# Altium PCB Copy of 飞控主板.PcbDoc
Units mil, origin at the board's own origin, x right, y up, seen from the top; angles counter-clockwise.
Board outline 1795.42 x 1796.14 mil, 2 copper layers (Top Layer, Bottom Layer); 49 components, 47 nets, 218 pads, 58 vias.
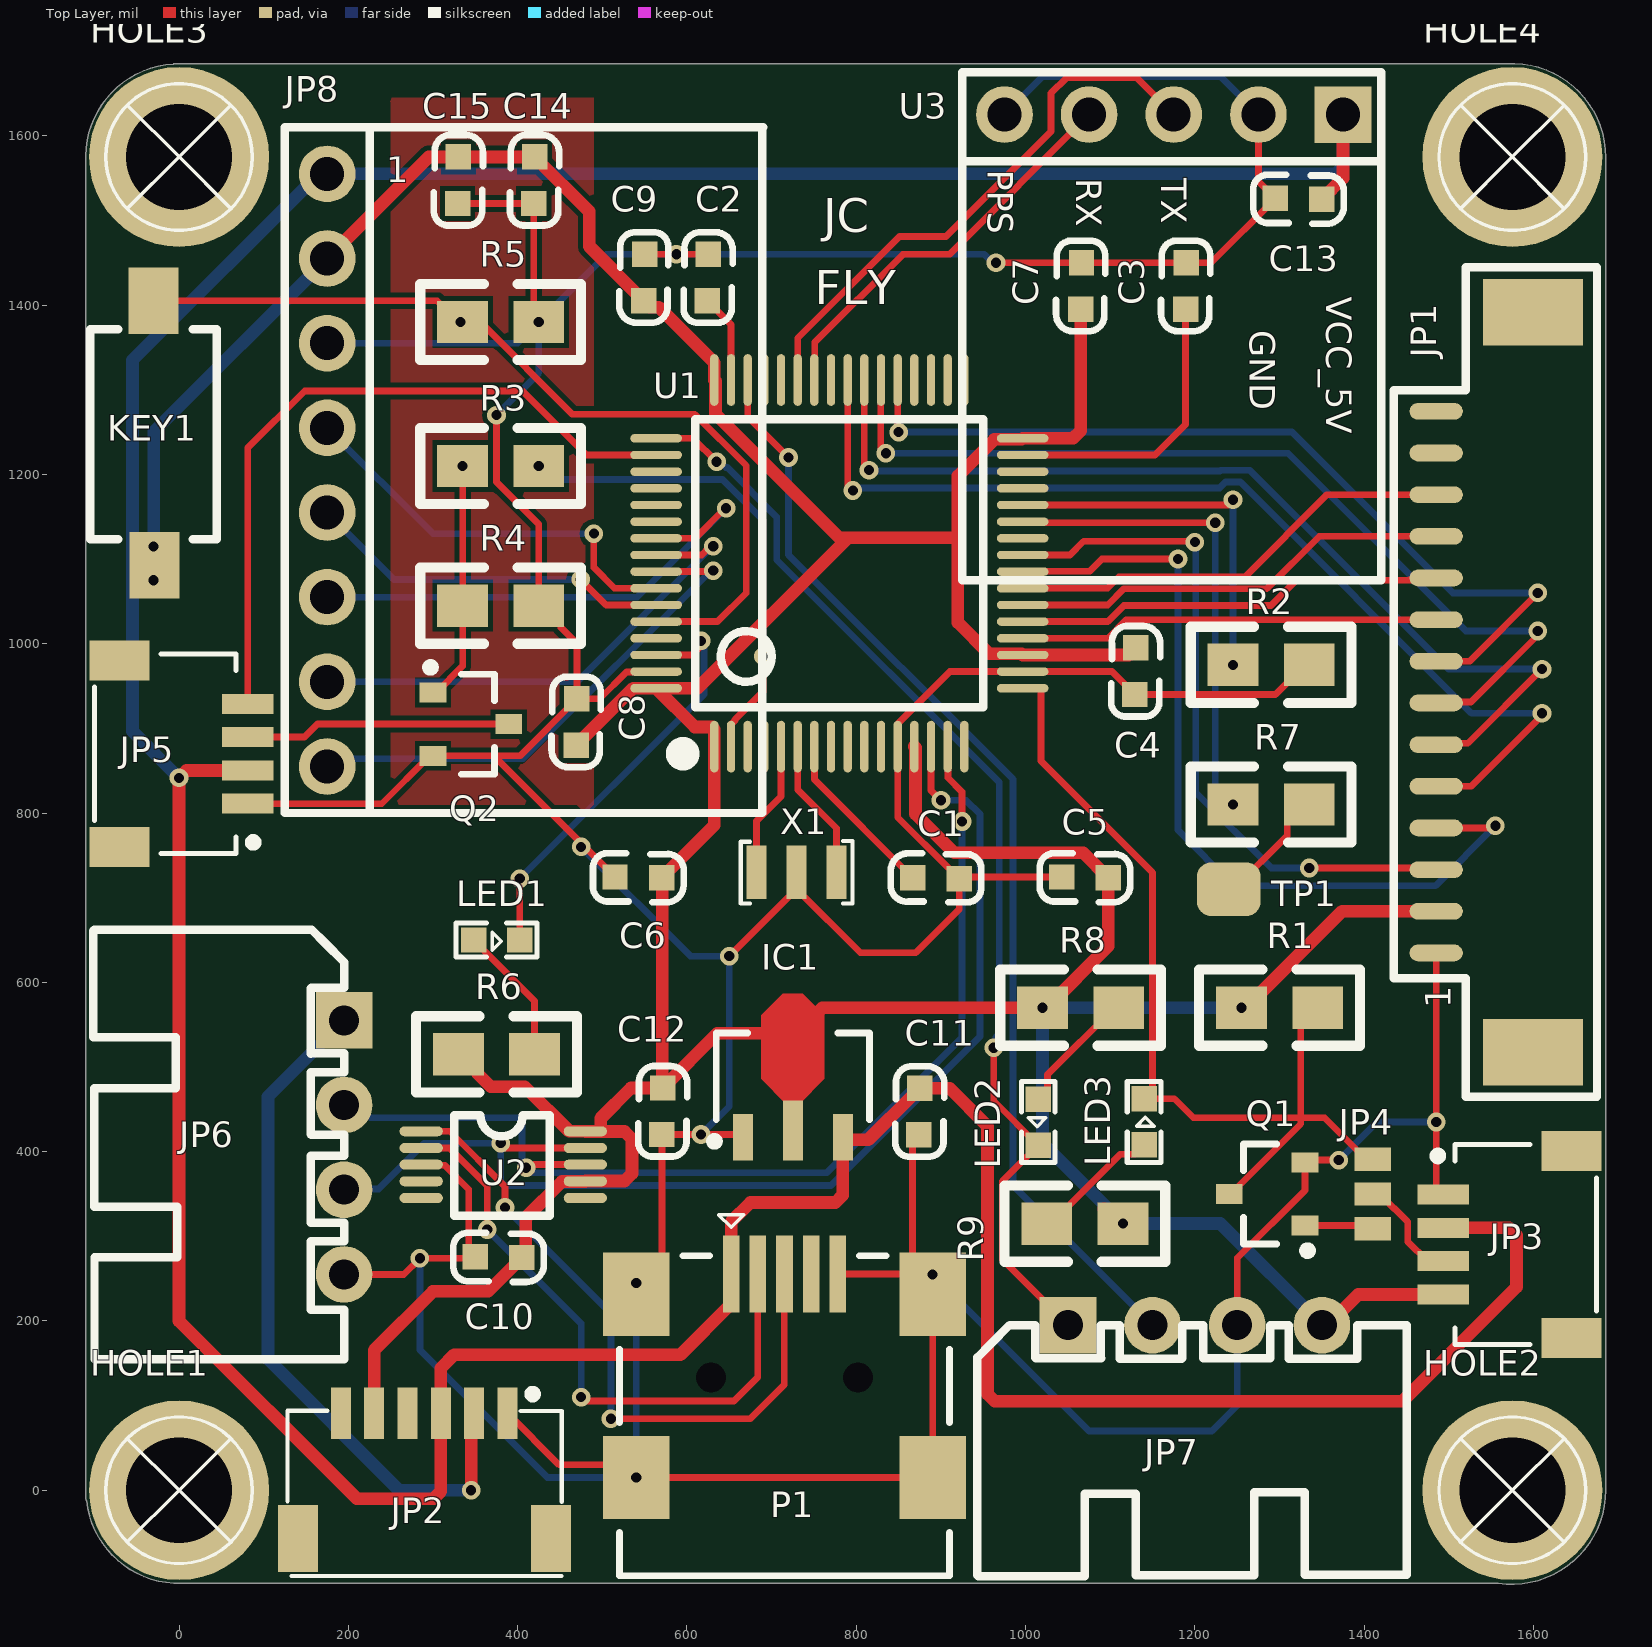
[diagram p0: Top Layer view]
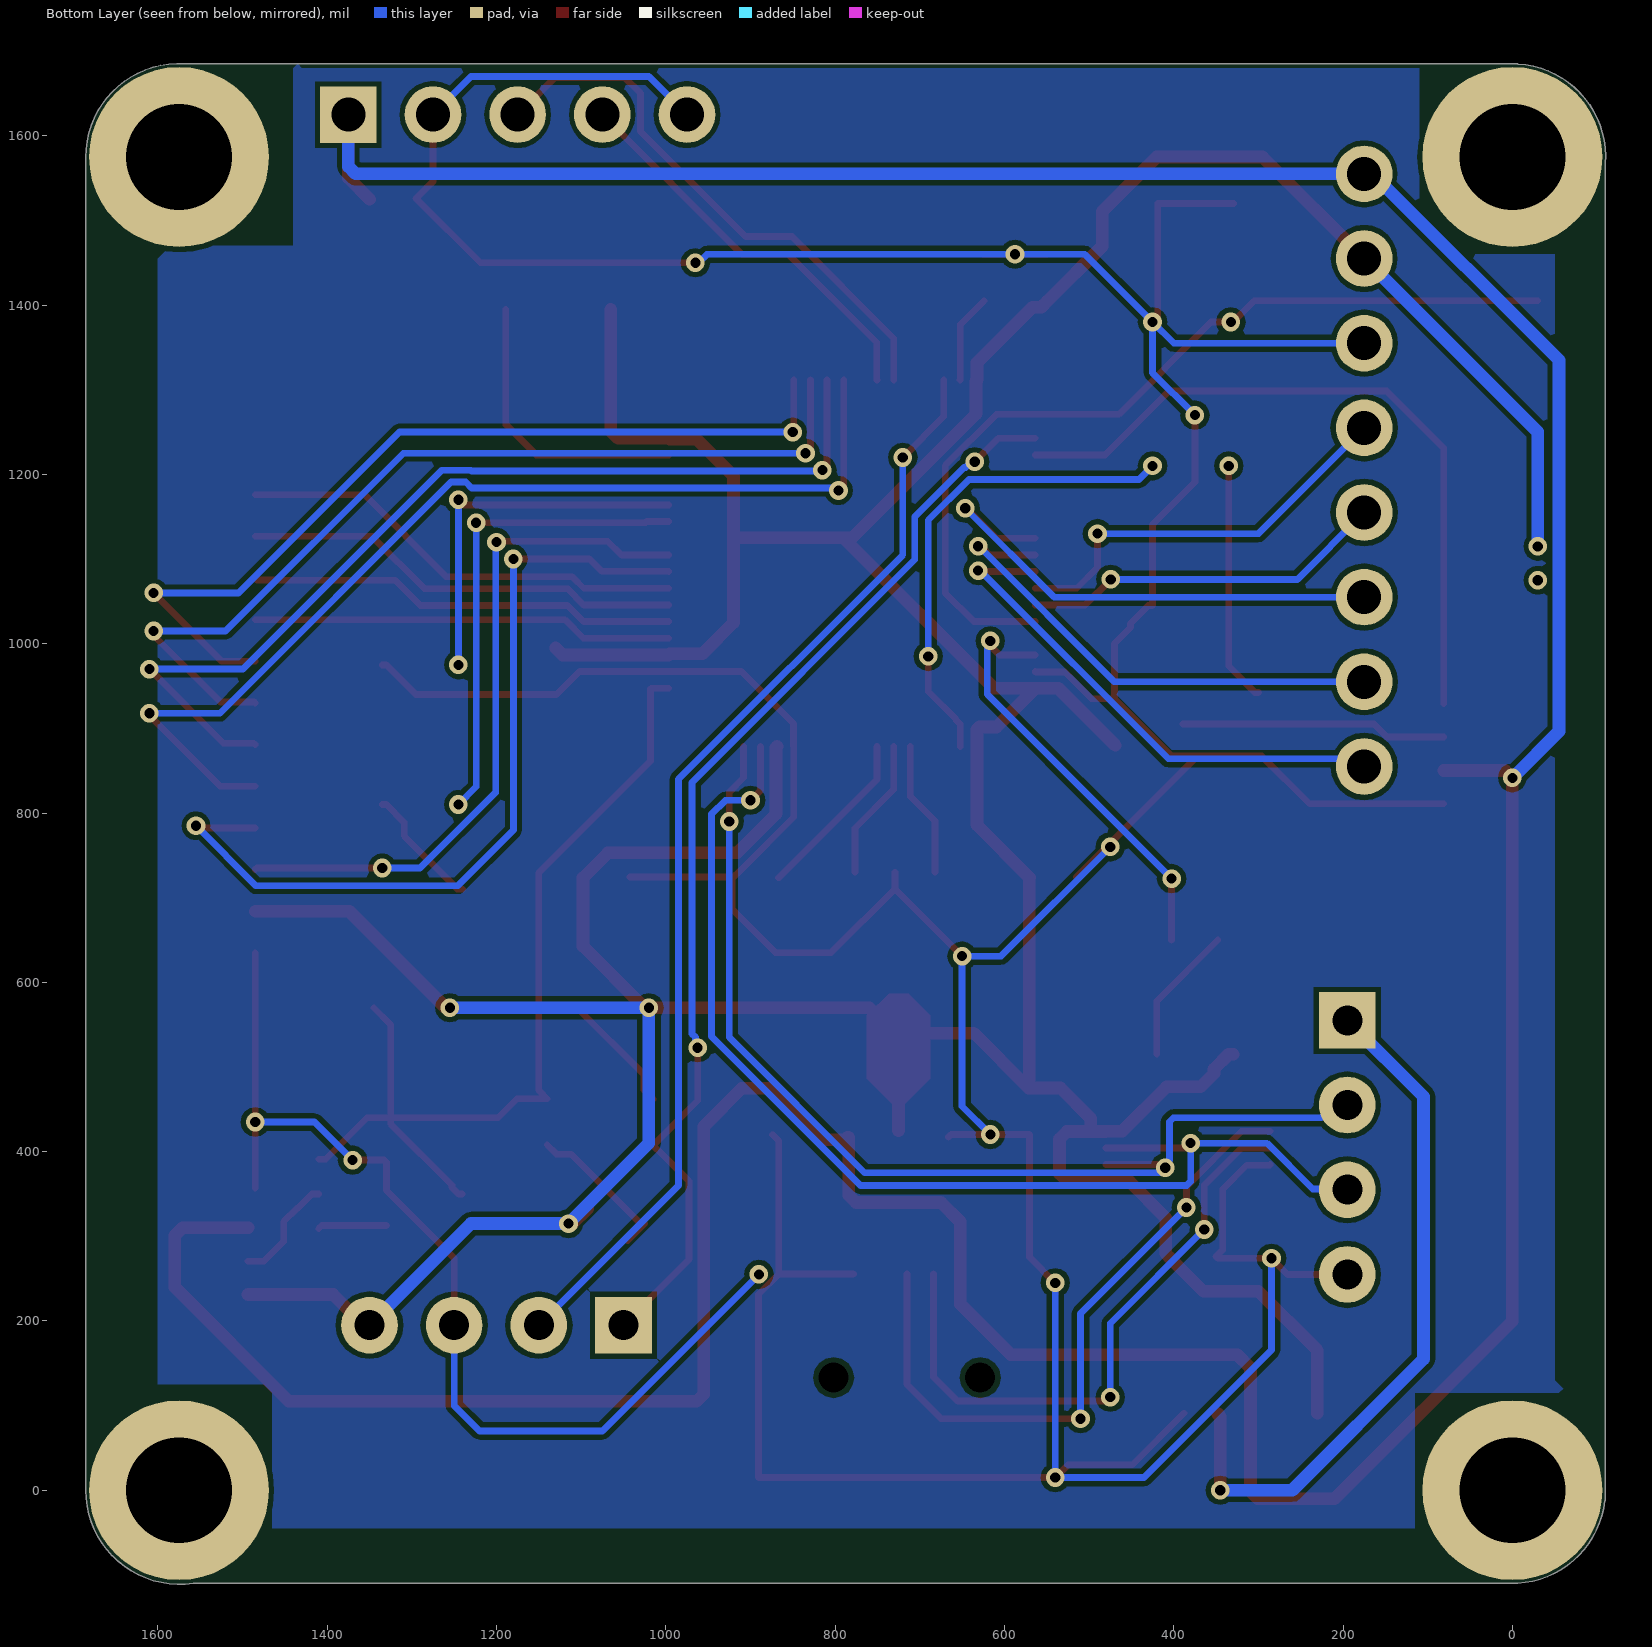
[diagram p1: Bottom Layer view, seen from below]

## Layer stack, top to bottom
Top Solder: solder mask 0.4, Solder Resist, Dk 3.5
Top Layer: signal copper 1.4
Dielectric 1: dielectric 12.6, FR-4, Dk 4.8
Bottom Layer: signal copper 1.4
Bottom Solder: solder mask 0.4, Solder Resist, Dk 3.5

## Board outline
-109.29,-12.59 cw(c-105,-10) -110.01,-10 -110.01,1567.24 cw(c-0.13,1574.76) -6.75,1684.7 cw(c-5,1680) -5,1685.01 1568.43,1685.01 cw(c1574.8,1574.8) 1685.2,1574.8 1685.2,0 cw(c1574.05,0) 1558.21,-110.02 -5,-110.02 cw(c-5,-105) -6.34,-109.83 cw(c0,0)

## Design rules (kind name [scope] priority, off if disabled: settings)
Clearance [All] p1: gap=6 ignorepadtopadclearanceinfootprint=FALSE
ComponentClearance [All] p1 off: gap=10 collisioncheckmode=3 verticalgap=10 showdistances=FALSE
PlaneClearance [All] p1: clearance=8
PolygonConnect [All] p1: thpad.connectstyle=Relief thpad.reliefconductorwidth=10 thpad.reliefentries=4 thpad.polygonreliefangle="90 Angle" thpad.airgapwidth=10 smdpad.connectstyle=Relief smdpad.reliefconductorwidth=10 smdpad.reliefentries=4 smdpad.polygonreliefangle="90 Angle" smdpad.airgapwidth=10 via.connectstyle=Direct via.reliefconductorwidth=10 via.reliefentries=4 via.polygonreliefangle="90 Angle" via.airgapwidth=10
RoutingVias [All] p1: holewidth=12 width=22 viastyle="Through Hole" minholewidth=12 minwidth=22 maxholewidth=12 maxwidth=22
SilkToSilkClearance [All] p1: silktosilkclearance=0
SilkToSolderMaskClearance [IsPad] p1: minsilkscreentomaskgap=0 clearancetoexposedcopper=TRUE
SolderMaskExpansion [All] p1: expansion=4 istentingtop=FALSE
UnRoutedNet [All] p1: checkbadconnections=TRUE
Width POWER [InNetClass('POWER')] p1: maxlimit=60 minlimit=15 preferedwidth=15
Width [All] p2: maxlimit=8 minlimit=8 preferedwidth=8
25 further rules are at their usual default settings.

## Classes and differential pairs
net class POWER: 3V3_MCU 5V 5V_LC
component class 飞控主板2: C13 C14 C15 HOLE1 HOLE2 HOLE3 HOLE4 JP8 U3
component class 飞控主板1: C1 C2 C4 C5 C6 C7 C8 C9 C10 C11 C12 IC1 JP1 JP2 JP3 JP4 JP5 JP6 JP7 KEY1 LED1 LED2 LED3 P1 Q1 Q2 R1 R2 R3 R4 R5 R8 R9 TP1 U1 U2 X1

## Components (designator, comment, footprint, x,y, rotation, side; value= is the part's Value field where it differs from the comment)
C1 "104" 0603C 921.95,722.08 r180 top
C2 "2.2uF" 0603C 623.65,1404.85 r90 top
C3 "2.2uF" 0603C 1190.35,1450.21 r270 top
C4 "104" 0603C 1128.65,939.79 r90 top
C5 "104" 0603C 1042.49,724.8 r0 top
C6 "104" 0603C 514.79,724.8 r0 top
C7 "104" 0603C 1066.35,1450.21 r270 top
C8 "104" 0603C 470.35,935.21 r270 top
C9 "104" 0603C 550.35,1460.21 r270 top
C10 "105" 0603C 349.79,276.35 r0 top
C11 "10UF" 0603C 873.65,419.79 r90 top
C12 "22UF" 0603C 570,420 r90 top
C13 "104" 0603C 1294.79,1526.35 r0 top
C14 "104" 0603C 418.65,1519.79 r90 top
C15 "104" 0603C 328.65,1519.79 r90 top
HOLE1 "M3" "M3 5.4MM" 0,0 r0 top
HOLE2 "M3" "M3 5.4MM" 1575,0 r0 top
HOLE3 "M3" "M3 5.4MM" 0,1575 r0 top
HOLE4 "M3" "M3 5.4MM" 1575,1575 r0 top
IC1 "AMS1117" AMS1117 725,421.06 r90 top
JP1 "Header14" Headr14 1542.09,954.61 r90 top locked
JP2 "FEIKONG" "SH1.0 S-W-6P" 290,10 r0 top
JP3 "RECEIVER" "SH1.0 S-W-4P" 1674.53,290.24 r90 top
JP4 "JUPER" "JUMPER 3P" 1410,309 r270 top
JP5 "LED&BEEP1" "SH1.0 S-W-4P" -100,870 r270 top
JP6 "USART1" XH2.54-WI-4P 195,405 r270 top locked
JP7 "SWD" XH2.54-WI-4P 1200,195 r0 top
JP8 "GY-91" GY-91 175,1205 r0 top locked
KEY1 "KEY" SMD-3X6X2.5 -30,1095 r90 top
LED1 "BLUE" "LED 0603R" 375,650 r0 top
LED2 "BLUE" "LED 0603R" 1015,435 r270 top
LED3 "BLUE" "LED 0603R" 1140,435 r90 top
P1 "USB-MINI-A" USB-MINI-A 652.2,255.47 r0 top
Q1 "SS8050" SOT23-3L 1285,350 r90 top
Q2 "SS8050" SOT23-3L 345,905 r270 top
R1 "10K" 0805R 1255,570 r0 top
R2 "10K" 0805R 1335,975 r180 top
R3 "100R" 0805R 425,1210 r180 top
R4 "1K" 0805R 335,1045 r0 top
R5 "10K" 0805R 335,1380 r0 top
R6 "510R" 0805R 330,515 r0 top
R7 "100R" 0805R 1335,810 r180 top
R8 "510R" 0805R 1020,570 r0 top
R9 "510R" 0805R 1115,315 r180 top
TP1 "TEST" "TEST PAD 1.8" 1240,710 r270 top
U1 "STM32F405RGT6" "LQFP64 10X10_L" 780,1095 r0 top locked
U2 "CH340E" MSOP10 286,424.06 r0 top
U3 "GT-U12" GT-U12 1175,1625 r270 top locked
X1 "8MHz" XTAL-3215-3P 729.4,730 r0 top

## Footprints (in the part's own frame and the unit in brackets; to place one, negate y for a bottom-side part, rotate by r counter-clockwise, add the part's x,y. Pads: shape width x height; smd on the part's side, far side on the other; paste and mask are expansions set on the pad)
0603C [mil]
  rect 30x30 smd: 1(0.21,-0.35) 2(55.21,-1.35)
  silkscreen extent -26,-30 81,28, body extent -1,-15 62,17, height 12
0805R [mil]
  rect 60x50 smd: 1(0,0) 2(90,0)
  silkscreen extent -50,-45 140,45, body extent 1,-25 80,25, height 15
AMS1117 [mm] "3V3降压芯片"
  rect 1.4x0.6 smd: 1(-0.1,1.5) 3(-0.1,-1.5)
  rect 1.8x0.6 smd: 2(0.1,0)
  Top Layer region: 0.889,0.189 1.65,0.95 3.55,0.95 4.2,0.3 4.2,-0.3 3.55,-0.95 1.65,-0.95 0.889,-0.189
  silkscreen extent -0.35,-2.3 3.02,2.47, body extent -0.5,-2.3 3.55,2.3, height 1.6
GT-U12 [mm] "GT-U12 GPS模块"
  rect 1.7x1.7 hole 1.02: 1(0,5.08)
  round 1.7 hole 1.02: 2(0,2.54) 3(0,0) 4(0,-2.54) 5(0,-5.08)
  silkscreen extent -1.27,-6.35 13.97,6.22
GY-91 [mm] "优信电子GY-91,MPU9250+BMP280"
  round 1.7 hole 1.02: 1(0,8.89) 2(0,6.35) 3(0,3.81) 4(0,1.27) 5(0,-1.27) 6(0,-3.81) 7(0,-6.35) 8(0,-8.89)
  silkscreen extent -1.27,-10.29 13.08,10.29
Headr14 [mm] "14pin卧贴接插件"
  oval 0.5x1.6 smd: 1(-8.125,1.45) 2(-6.875,1.45) 3(-5.625,1.45) 4(-4.375,1.45) 5(-3.125,1.45) 6(-1.875,1.45) 7(-0.625,1.45) 8(0.625,1.45) 9(1.875,1.45) 10(3.125,1.45) 11(4.375,1.45) 12(5.625,1.45) ""(6.875,1.45) ""(8.125,1.45)
  rect 2x3 smd: ""(-11.1,-1.45) ""(11.1,-1.45)
  silkscreen extent -12.45,-3.38 12.45,2.72
"JUMPER 3P" [mm]
  rect 0.7x1.1 smd: 1(0,0) 2(-1.041,0) 3(-2.083,0)
"LED 0603R" [mil]
  rect 30x30 smd: 1(-27,0) 2(27.5,-0.06)
  silkscreen extent -48,-20 48,20, body extent -31,-16 31,16, height 24
"LQFP64 10X10_L" [mm]
  oval 0.25x1.55 smd: 1(-3.75,-5.5) 2(-3.25,-5.5) 3(-2.75,-5.5) 4(-2.25,-5.5) 5(-1.75,-5.5) 6(-1.25,-5.5) 7(-0.75,-5.5) 8(-0.25,-5.5) 9(0.25,-5.5) 10(0.75,-5.5) 11(1.25,-5.5) 12(1.75,-5.5) 13(2.25,-5.5) 14(2.75,-5.5) 15(3.25,-5.5) 16(3.75,-5.5) 33(3.75,5.5) 34(3.25,5.5) 35(2.75,5.5) 36(2.25,5.5) 37(1.75,5.5) 38(1.25,5.5) 39(0.75,5.5) 40(0.25,5.5) 41(-0.25,5.5) 42(-0.75,5.5) 43(-1.25,5.5) 44(-1.75,5.5) 45(-2.25,5.5) 46(-2.75,5.5) 47(-3.25,5.5) 48(-3.75,5.5)
  oval 1.55x0.25 smd: 17(5.5,-3.75) 18(5.5,-3.25) 19(5.5,-2.75) 20(5.5,-2.25) 21(5.5,-1.75) 22(5.5,-1.25) 23(5.5,-0.75) 24(5.5,-0.25) 25(5.5,0.25) 26(5.5,0.75) 27(5.5,1.25) 28(5.5,1.75) 29(5.5,2.25) 30(5.5,2.75) 31(5.5,3.25) 32(5.5,3.75) 49(-5.499,3.75) 50(-5.499,3.25) 51(-5.499,2.75) 52(-5.499,2.25) 53(-5.499,1.75) 54(-5.499,1.25) 55(-5.499,0.75) 56(-5.499,0.25) 57(-5.499,-0.25) 58(-5.499,-0.75) 59(-5.499,-1.25) 60(-5.499,-1.75) 61(-5.499,-2.25) 62(-5.499,-2.75) 63(-5.499,-3.25) 64(-5.499,-3.75)
  silkscreen extent -4.95,-5.96 4.32,4.32, body extent -6,-6 6,6, height 1.45
"M3 5.4MM" [mm] "M3螺丝孔，"
  round 5.4 hole 3.175: 0(0,0)
  silkscreen extent -2.2,-2.2 2.2,2.2
MSOP10 [mm] "VSOP8"
  oval 1.3x0.3 smd: 1(0,0) 2(0,-0.5) 3(0,-1) 4(0,-1.5) 5(0,-2) 6(4.928,-2) 7(4.928,-1.5) 8(4.928,-1) 9(4.928,-0.5) 10(4.928,0)
  silkscreen extent 0.99,-2.54 3.86,0.48, body extent -0.11,-2.62 5.04,0.58, height 1.09
"SH1.0 S-W-4P" [mm]
  rect 1.2x1.8 smd: 0(-2.8,0.75) 0(2.8,0.75)
  rect 0.6x1.55 smd: 1(1.5,4.6) 2(0.5,4.6) 3(-0.5,4.6) 4(-1.5,4.6)
  silkscreen extent -3,0 3,4.89, body extent -3,0 3,4.95, height 2.92
"SH1.0 S-W-6P" [mm]
  rect 1.2x2 smd: 0(-3.8,-1.7) 0(3.8,-1.7)
  rect 0.6x1.55 smd: 1(2.489,2.057) 2(1.489,2.057) 3(0.489,2.057) 4(-0.511,2.057) 5(-1.511,2.057) 6(-2.511,2.057)
  silkscreen extent -4.11,-2.83 4.11,2.76, body extent -3.99,-2.48 4.01,2.47, height 2.9
SMD-3X6X2.5 [mm]
  rect 2x1.5 smd: 1(-0.059,-0.02) 2(7.874,0)
  silkscreen extent 0.73,-1.9 7.03,1.9, body extent -0.19,-1.78 7.81,1.72, height 2.59
SOT23-3L [mm]
  rect 0.6x0.8 smd: 1(-0.95,-1.143) 2(0.95,-1.143) 3(0,1.125)
  silkscreen extent -1.83,-1.34 1.5,0.7, body extent -1.5,-1.2 1.5,1.2, height 1.05
"TEST PAD 1.8" [mm]
  rrect50% 1.6x1.9 smd: 1(0,0)
USB-MINI-A [mm]
  rect 2x2.5 smd: 0(-2.85,-6.108) 0(-2.85,-0.608) 0(6.05,-6.108) 0(6.05,-0.608)
  rect 0.5x2.3 smd: 1(0,0) 2(0.8,0) 3(1.6,0) 4(2.4,0) 5(3.2,0)
  round 0.6 hole 0.9 unplated: MH1(3.8,-3.108) MH2(-0.6,-3.108)
  silkscreen extent -3.35,-9.06 6.55,1.78, body extent -3.17,-9.04 6.33,0.66, height 3.95
XH2.54-WI-4P [mm] "接插件，4P"
  rect 1.7x1.7 hole 0.9: 1(-3.81,0)
  round 1.7 hole 0.9: 2(-1.27,0) 3(1.27,0) 4(3.81,0)
  silkscreen extent -6.53,-7.53 6.35,0, body extent -6.31,-7.35 6.31,0.35, height 5.73
XTAL-3215-3P [mm]
  rect 0.6x1.6 smd: 1(-1.2,0) 2(0,0) 3(1.2,0)
  silkscreen extent -1.68,-0.94 1.68,0.94, body extent -1.6,-0.74 1.6,0.76, height 0.9

## Part data
C1 C2 C3 C4 C5 C6 C7 C8 C9 C13 C14 C15: library part C, "无极性贴片电容", BOM名称=无极性贴片电容, 学习资源=www.ooocke.com, 版权归属=源创客
C10: library part cap, C=105, U=50V, 参数=Cap,0805,X7R,104K,50V,125C,±10%
C11 C12: library part CAP, "无极性电容"
HOLE1 HOLE2 HOLE3 HOLE4: "铜柱孔", BOM名称=铜柱孔, 学习资源=www.ooocke.com, 版权归属=源创客
IC1: "3V3降压芯片"
JP1: "14PIN接插件"
JP2: library part "Header 6", "6P接插件", BOM名称=6P接插件, 学习资源=www.ooocke.com, 版权归属=源创客
JP3 JP5 JP6 JP7: library part "Header 4", "4P接插件", BOM名称=4P接插件, 学习资源=www.ooocke.com, 版权归属=源创客
JP4: library part "JUMPER 3P", "三点焊盘跳线"
JP8: "优信电子GY-91接口，MPU9250+BMP280"
KEY1: "按键", BOM名称=3x6轻触开关, 学习资源=www.ooocke.com, 版权归属=源创客
LED1 LED2 LED3: library part LED-SMD, "贴片LED", BOM名称=贴片LED, 学习资源=www.ooocke.com, 版权归属=源创客
P1: library part "MICRO USB 5PIN", _Value=5PIN, _Comma=,, _Model=USB-MINI-A, _Name=Port, _Specification=Port,USB-MINI-A,5PIN
Q1 Q2: library part 8050-SMD, "高频放大-NPN型", BOM名称=高频放大-NPN型, 学习资源=www.ooocke.com, 属性="40V 1.5A 1W 100MHZ", 版权归属=源创客
R1 R2 R3 R4 R5 R6 R7 R8 R9: library part R, "贴片电阻", BOM名称=贴片电阻, 学习资源=www.ooocke.com, 版权归属=源创客
TP1: "测试点", BOM名称=测试点, 学习资源=www.ooocke.com, 版权归属=源创客
U1: "Flaah:256/RAM:48/IO:51"
U3: "GPS模块"
X1: library part XTAL-3P, "3脚无源晶振", BOM名称=2脚晶振, 学习资源=www.ooocke.com, 版权归属=源创客
U2: _Comma=,, _Footprint=MSOP10, _Model=CH340E, _Name=USB-UART, _Specification=USB-UART,CH340E,MSOP10

## Via types
v1: diameter 22, hole 12, Top Layer to Bottom Layer, tented both sides, 58 vias

## Nets (pads, with @x,y where several pads share a name; then routed paths per layer and width w, separated by ;. In a path a pad name is that pad's centre, name@x,y a point inside that pad or via, vN(x,y) a via of type N, cw(c..) or ccw(c..) an arc to the next point about the centre after c; other vN are vias at no path point)
3V3_MCU: C4.2 C5.2 C6.2 C7.2 C8.2 C9.2 C10.2 C12.2 C14.2 C15.2 IC1.2 JP1.2 JP2.5 JP3.4 JP7.4 JP8.2 KEY1.1 R1.1 R6.1 R8.1 R9.1 U1.1 U1.13 U1.19 U1.32 U1.48 U1.64 U2.7 U2.10 | length 6431.2
  Top Layer w15: JP8.2 295,1575 C15.2 C14.2 484.5,1510.5 484.5,1469.5 C9.2 556.5,1397.5 566.82,1397.5 632.37,1331.95 U1.48 633.64,1310.25 633.64,1271.36 780,1125 790,1125 ; JP2.5 230.52,165.52 300,235 365,235 C10.2 409.5,279.5 409.5,321.94 452.28,364.72 479.72,364.72 480.28,365.28 526.21,365.28 535,374.07 535,414.99 526.21,423.78 480.28,423.78 U2.10 460.95,424.05 408.5,476.5 368.5,476.5 352.5,492.5 352.5,497.5 335,515 R6.1 ; C8.2 536.36,947.36 U1.64 ; U2.10@496.5,424.05 498.09,425.65 498.09,439.45 533.85,475.21 C12.2 ; IC1.2 725,535 730,540 ; U1.13 869.86,877.21 869.86,798.79 915.7,752.94 1068.2,752.94 C5.2 1097.7,642.7 R8.1@1025,570 ; v1(1020,570) 760,570 730,540 ; C7.2 1065,1251.42 1056.21,1242.63 U1.32 995.27,1241.37 963.31,1241.37 920,1198.06 920,1125 ; R9.1@1092.5,332.5 1110,315 v1(1115,315) ; C4.2 1121.73,986.73 U1.19 995.27,987.99 957.01,987.99 920,1025 920,1125 ; v1(1255,570) 1260,570 1373.94,683.94 JP1.2 ; JP7.4 1356.78,195 1392.96,231.18 JP3.4 ; U1.64 612.36,947.36 790,1125 ; U1.64 609.36,901.49 629.79,901.49 632.37,898.91 U1.1 632.37,785.81 C6.2 570.68,722.77 570.68,475.89 C12.2 ; C12.2 636.14,540 730,540 ; 790,1125 920,1125
  Bottom Layer w15: v1(-30,1115) -30,1250 JP8.2 ; v1(1255,570) v1(1020,570) 1020,410 v1(1115,315) 1230,315 JP7.4
  other v1: -30,1075
5V: JP2.2 JP6.1 | length 834
  Top Layer w15: v1(345,0) 345,87.37 JP2.2
  Bottom Layer w15: JP6.1 105,465 105,155 260,0 v1(345,0)
5V_LC: C11.2 C13.2 IC1.3 JP2.3 JP3.2 JP5.2 JP8.1 P1.1 U3.1 | length 5534.1
  Top Layer w15: JP5.2 8.79,850.32 v1(0,841.53) 0,200 210,-10 300.47,-10 309.26,-1.21 JP2.3 309.26,144.26 325,160 592.16,160 652.2,220.04 P1.1 652.2,317.2 675,340 775.27,340 784.06,348.79 IC1.3@784.06,414.07 ; IC1.3 785.31,417.13 788.37,414.07 814.07,414.07 867.5,467.5 C11.2 910,475 955,430 955,113.79 963.79,105 1445,105 1580,240 1580,301.14 1571.21,309.92 JP3.2 ; C13.2 1375,1550 U3.1
  Bottom Layer w15: v1(0,841.53) -55,896.53 -55,1335 165,1555 1366.21,1555 1375,1563.79 U3.1
ADC_BAT: JP1.3 U1.25 | length 828.4
  Top Layer w8: U1.25 1052.45,1104.84 1068.61,1121 1199,1121 v1(1200,1120) ; v1(1335,735) 1483.15,735 JP1.3
  Bottom Layer w8: v1(1200,1120) 1201,1119 1201,824.3 1290.3,735 v1(1335,735)
ADC_CURRENT: JP1.4 U1.24 | length 1012.6
  Top Layer w8: U1.24 996.88,1085.51 1075.51,1085.51 1090,1100 v1(1180,1100) ; JP1.4 1552.36,782.36 v1(1555,785)
  Bottom Layer w8: v1(1180,1100) 1180,779.8 1245.8,714 1484,714 v1(1555,785)
ADC_RSSI: R7.2 U1.27 | length 569.6
  Top Layer w8: U1.27 1022.62,1144.21 1023.93,1142.89 v1(1224,1142.89)
  Bottom Layer w8: v1(1224,1142.89) 1224,831 v1(1245,810)
BEEP-: JP5.3 Q2.3 | length 314.5
  Top Layer w8: JP5.3 148.22,889.69 163.53,905 Q2.3
BEEPER: R3.1 U1.2 | length 574.7
  Top Layer w8: U1.2 652.06,904.57 656.82,909.33 656.82,910.25 690,943.43 v1(690,985)
  Bottom Layer w8: v1(425,1210) 441,1194 641.95,1194 690,1145.95 v1(690,985)
BM_CSB: JP8.7 U1.56 | length 594.2
  Top Layer w8: U1.56 617.49,1104.84 626.09,1113.45 629.39,1113.45 v1(631.06,1115.11)
  Bottom Layer w8: JP8.7 470,955 630.11,1115.11 v1(631.06,1115.11)
BOOT0: KEY1.2 R5.1 U1.60 | length 1051.5
  Top Layer w8: KEY1.2 305,1405 330,1380 v1(332.5,1380) R5.1 355.86,1380 464.85,1271 609.25,1271 670,1210.25 670,1060 636.1,1026.1 U1.60
GND: C1.1 C2.2 C3.1 C4.1 C5.1 C6.1 C7.1 C8.1 C9.1 C10.1 C11.1 C12.1 C13.1 C14.1 C15.1 IC1.1 JP1.1 JP2.1 JP3.1 JP5.1 JP6.4 JP7.3 JP8.3 P1.0 P1.5 Q1.2 Q2.2 R2.1 R4.2 R5.2 U1.12 U1.18 U1.63 U2.3 U3.2 U3.5 X1.2 | length 8476.5
  Top Layer w8: JP5.1 239.41,810.95 296.06,867.6 Q2.2 371.84,867.6 ; JP6.4 265.47,255 v1(284.47,274) 348,274 C10.1 342.19,283.81 342.19,355.5 313.73,383.96 286.73,383.96 U2.3 ; C15.1 C14.1 419,1386 v1(425,1380) ; v1(375,1270) 375,1190.86 425,1140.86 R4.2 430,1045 451,1024 451,1019 470,1000 C8.1 ; JP2.1 449,30 525,30 v1(540,15) 890.39,15 890.39,231.54 P1.0@866.45,255.47 ; C6.1 371.84,867.6 ; P1.0@540,231.54 v1(540,245) 570.35,275.35 C12.1 v1(616.61,420.21) 662.86,420.21 IC1.1 ; C9.1 v1(587.47,1460) 624.94,1460 C2.2 ; U1.63 563.14,966.69 528.69,966.69 497,935 C8.1 ; v1(650,630.92) X1.2@729.4,710.31 ; X1.2 X1.2@729.4,710.31 ; P1.5 P1.0@866.45,255.47 ; C11.1 866.45,412.45 P1.0@866.45,255.47 ; v1(965,1450) C7.1 C3.1 1219,1450 C13.1 1275,1546 U3.2 ; C5.1 923.74,724.44 C1.1 ; JP7.3 1250,274.3 1330,354.3 Q1.2 1332.6,390 v1(1370,390) ; R2.1 1330,975 1295,940 C4.1 1101.96,967.04 U1.18 910.47,967.04 849.26,905.84 849.26,878.83 U1.12 848.91,794.99 910.46,733.44 910.74,733.44 C1.1 ; JP3.1@1485,357.1 JP1.1 ; 371.84,867.6 402.6,867.6 C8.1 ; X1.2@729.4,710.31 804.71,635 870.31,635 921.74,686.42 C1.1
  Bottom Layer w8: JP8.3 400,1355 v1(425,1380) ; v1(284.47,274) 284.47,165.53 435,15 v1(540,15) ; v1(375,1270) 425,1320 v1(425,1380) ; v1(475,760) 604.08,630.92 v1(650,630.92) 650,453.61 v1(616.61,420.21) ; v1@540,16.74 v1(540,245) ; v1(890,255) 1075,70 1220,70 1250,100 JP7.3 ; v1(965,1450) 961.21,1450 951.21,1460 v1(587.47,1460) 505,1460 v1(425,1380) ; U3.5 1020,1670 1230,1670 U3.2 ; v1(1370,390) 1415,435 v1(1485,435)
I2C1_SCL: JP8.4 U1.58 | length 490.4
  Top Layer w8: v1(490,1130) 490,1090 514.53,1065.47 U1.58
  Bottom Layer w8: JP8.4 300,1130 v1(490,1130)
I2C1_SDA: JP8.5 U1.59 | length 433.7
  Top Layer w8: v1(474.35,1076) 504.56,1045.78 U1.59
  Bottom Layer w8: JP8.5 254,1076 v1(474.35,1076)
LED0: LED1.2 U1.62 | length 508.4
  Top Layer w8: LED1.2 v1(402.5,722.5) ; U1.62 606,986.73 614.04,994.77 614.04,1000.6 v1(616.72,1003.28)
  Bottom Layer w8: v1(402.5,722.5) 620.18,940.18 620.18,999.82 v1(616.72,1003.28)
LED1: JP7.1 LED2.2 U1.49 | length 1318.9
  Top Layer w8: U1.49 607.37,1242.63 v1(635,1215) ; v1(962.35,522.65) 962.35,460.09 LED2.2 1003.94,396.5 972.5,365.06 972.5,272.5 JP7.1
  Bottom Layer w8: v1(635,1215) 638.79,1215 645.79,1208 647.75,1208 706,1149.75 706,1099.2 969,836.2 969,539.2 965.03,535.23 965.03,525.33 v1(962.35,522.65)
LED_STRIP: JP5.4 U1.50 | length 843.6
  Top Layer w8: JP5.4 81.1,1231.1 148.46,1298.46 405.68,1298.46 481.19,1222.95 U1.50
MCU_RX1: U1.43 U3.3 | length 665.5
  Top Layer w8: U1.43 730.8,1360.8 850.97,1480.97 905.97,1480.97 1030,1605 1030,1650.31 1048.15,1668.46 1131.54,1668.46 U3.3
MCU_RX2: JP4.3 LED3.2 Q1.3 R1.2 U1.17 | length 1129.8
  Top Layer w8: U1.17 1017.27,947.36 1018.12,946.51 1018.12,861.37 1150,729.49 1150,472.44 LED3.2 1175.67,462.5 1198.17,440 1325,440 ; Q1.3 1244.65,350 1252.46,357.81 1252.46,360.27 1325,432.81 1325,440 ; R1.2 1325,550 1325,440 ; JP4.3 1402.13,391 1353.13,440 1325,440
MCU_RX4: JP6.2 U1.15 U2.8 | length 1290
  Top Layer w8: v1(410,381) 412.68,383.68 418.68,383.68 419.68,384.68 U2.8 ; U1.15 908.31,878.12 908.31,841.69 925,825 v1(925,790)
  Bottom Layer w8: JP6.2 210.95,455 225.95,440 400.31,440 405,435.31 405,389.79 407.32,387.47 407.32,382.32 405,380 410,375 440.3,375 765,375 925,535 v1(925,790) ; v1@407,378 v1(410,381)
MCU_TX1: U1.42 U3.4 | length 480.1
  Top Layer w8: U1.42 750.83,1311.87 750.83,1355.83 855,1460 910,1460 U3.4
MCU_TX4: JP6.3 U1.14 U2.9 | length 1380.1
  Top Layer w8: v1(380,410) 385.63,404.37 U2.9 ; U1.14 888.28,826.72 v1(900,815)
  Bottom Layer w8: JP6.3 195.78,355.78 235.78,355.78 290,410 v1(380,410) 380,364.69 384.69,360 770,360 946,536 946,798.7 929.7,815 v1(900,815)
MP_NCS: JP8.8 U1.57 | length 620
  Top Layer w8: U1.57 629.85,1085.15 v1(631.06,1086.36)
  Bottom Layer w8: JP8.8 184.15,864.15 406.49,864.15 628.7,1086.36 v1(631.06,1086.36)
MP_SDO: JP8.6 U1.55 | length 612.2
  Top Layer w8: U1.55 609.52,1124.52 645,1160 v1(646.25,1160)
  Bottom Layer w8: JP8.6 541.25,1055 v1(646.25,1160)
NetC1_2: C1.2 U1.7 | length 203.2
  Top Layer w8: U1.7 750.48,839.69 C1.2
NetC2_1: C2.1 U1.47 | length 105.7
  Top Layer w8: C2.1 652.06,1377.01 U1.47 U1.47@652.41,1311.87
NetC3_2: C3.2 U1.31 | length 343.4
  Top Layer w8: U1.31 1152.95,1222.95 1189,1259 C3.2
NetLED1_1: LED1.1 R6.2 | length 164.8
  Top Layer w8: LED1.1 420,578 R6.2
NetLED2_1: LED2.1 R8.2 | length 150.3
  Top Layer w8: LED2.1 1026,473 1026,491 1105,570 R8.2
NetLED3_1: LED3.1 R9.2 | length 181.8
  Top Layer w8: R9.2@1045,295 R9.2 1030,315 1112,397 1129,397 LED3.1
NetQ2_1: Q2.1 R3.2 R4.1 | length 284.4
  Top Layer w8: Q2.1 303.94,942.4 335,973.46 R4.1 v1(335,1210)
NetR2_2: R2.2 U1.28 | length 446
  Top Layer w8: U1.28 1238.89,1163.89 v1(1245,1170)
  Bottom Layer w8: v1(1245,975) v1(1245,1170)
NetR7_1: R7.1 TP1.1 | length 145.7
  Top Layer w8: TP1.1 1245.91,710 1309,773.09 1309,789 1330,810 R7.1
OSC_IN: U1.5 X1.1 | length 160.5
  Top Layer w8: X1.1 682.15,790.46 711.11,819.42 U1.5
OSC_OUT: U1.6 X1.3 | length 167.5
  Top Layer w8: U1.6 730.8,827.86 776.64,782.02 X1.3
RC_IN: JP3.3 JP4.2 | length 130
  Top Layer w8: JP4.2 1417.87,350 1435.09,332.78 1435.8,332.78 1451.35,317.22 1451.35,293.92 1474.72,270.55 JP3.3
S1: JP1.5 U1.40 | length 1226.5
  Top Layer w8: U1.40 789.85,1187.15 v1(796,1181) ; JP1.5 1526.23,831.57 1610,915.35 v1(1610,917.8)
  Bottom Layer w8: v1(796,1181) 799,1184 1229.3,1184 1236.3,1191 1253.7,1191 1526.9,917.8 v1(1610,917.8)
S2: JP1.6 U1.39 | length 1163.9
  Top Layer w8: U1.39 809.54,1210.46 v1(815,1205) ; JP1.6 1486.63,882.42 1522.42,882.42 v1(1610,970)
  Bottom Layer w8: v1(815,1205) 816,1204 1229.5,1204 1230.5,1205 1264.5,1205 1499.5,970 v1(1610,970)
S3: JP1.7 U1.38 | length 1104.2
  Top Layer w8: U1.38 829,1311.29 829,1231 v1(835,1225) ; JP1.7 1486.05,931.05 1526.05,931.05 1605,1010 v1(1605,1015)
  Bottom Layer w8: v1(835,1225) 1310,1225 1520,1015 v1(1605,1015)
S4: JP1.8 U1.37 | length 1049.1
  Top Layer w8: U1.37 848.91,1251.09 v1(850,1250) ; JP1.8 1524.21,979.21 v1(1605,1060)
  Bottom Layer w8: v1(850,1250) 1314.7,1250 1504.7,1060 v1(1605,1060)
S5: JP1.9 U1.20 | length 497.6
  Top Layer w8: U1.20 1097.27,1006.41 1119.28,1028.43 JP1.9
S6: JP1.10 U1.21 | length 509.8
  Top Layer w8: U1.21 1097.16,1026.1 1116.06,1045 1290,1045 1320,1075 1452.82,1075 1453.22,1075.4 1482.76,1075.4 JP1.10
S7: JP1.11 U1.22 | length 522
  Top Layer w8: U1.22 1097.04,1045.78 1116.26,1065 1285,1065 1346.85,1126.85 JP1.11
S8: JP1.12 U1.23 | length 534.3
  Top Layer w8: U1.23 1096.93,1065.47 1110.46,1079 1259,1079 1356.06,1176.06 JP1.12
SBUS: JP4.1 Q1.1 | length 81.5
  Top Layer w8: Q1.1 1406.4,312.6 JP4.1
SWDIO: JP7.2 U1.46 | length 1314.6
  Top Layer w8: U1.46 671.74,1268.26 v1(720,1220)
  Bottom Layer w8: v1(720,1220) 720,1105 985,840 985,360 JP7.2
UD+: P1.3 U2.1 | length 804.5
  Top Layer w8: U2.1 319.81,424.05 385,358.86 v1(385,334) ; v1(510.15,84.39) 674.39,84.39 715,125 715,255.28 P1.3
  Bottom Layer w8: v1(385,334) 510.15,208.85 v1(510.15,84.39)
UD-: P1.2 U2.2 | length 736.5
  Top Layer w8: U2.2 319.69,404.37 364,360.06 v1(364,308) ; v1(475,110) 479.61,105.39 655.39,105.39 683.7,133.7 P1.2
  Bottom Layer w8: v1(364,308) 475,197 v1(475,110)
pads on no net: HOLE1.0 HOLE2.0 HOLE3.0 HOLE4.0 JP1. JP2.0 JP2.4 JP2.6 JP3.0 JP5.0 P1.4 P1.MH1 P1.MH2 U1.3 U1.4 U1.8 U1.9 U1.10 U1.11 U1.16 U1.26 U1.29 U1.30 U1.33 U1.34 U1.35 U1.36 U1.41 U1.44 U1.45 U1.51 U1.52 U1.53 U1.54 U1.61 U2.4 U2.5 U2.6

## Polygon pours and split planes (outlines as drawn)
no net on Top Layer "NONET_L01_P000" (solid, pour order 0): 245,1645 490,1645 490,810 480,800 470,810 250,810 250,1640
no net on Bottom Layer "NONET_L02_P002" (solid, pour order 2): 110,1485 85,1460 -50,1460 -50,130 -60,120 -55,115 115,115 115,-45 1465,-45 1465,115 1475,125 1600,125 1600,1455 1585,1470 1440,1470 1440,1680 1435,1685 1430,1680 110,1680

## Silkscreen, mask and mechanical layers (free items; w line width, h text height)
Top Overlay:
  text "JC" at 761,1486 h40
  text "FLY" at 751,1401 h40
Mechanical 1:
  lines w10: -105,-10 -105,1580 ; -105,0 ccw(c0,0) 0,-105 ; -105,1567.41 cw(c-0.13,1574.76) -4.99,1679.77 ; -5,-105 1585,-105 ; -5,1680 1575,1680 ; 1558.58,-105 ccw(c1574.05,0) 1680.18,0 1680.18,1574.8 ccw(c1574.8,1574.8) 1568.57,1680

## Text inside footprints (layer, text, board x,y; h text height)
JP1: Top Overlay "1" at 1502.09,569.61 h30 r90
JP8: Top Overlay "1" at 245,1545 h30
U3: Top Overlay "VCC_5V" at 1355,1410 h30 r270; Top Overlay "GND" at 1265,1370 h30 r270; Top Overlay "TX" at 1160,1550 h30 r270; Top Overlay "RX" at 1060,1550 h30 r270; Top Overlay "PPS" at 955,1560 h30 r270